# Altium PCB SolderingStation - Using Mux for PUP.PcbDoc (part 1 of 2) (continued)
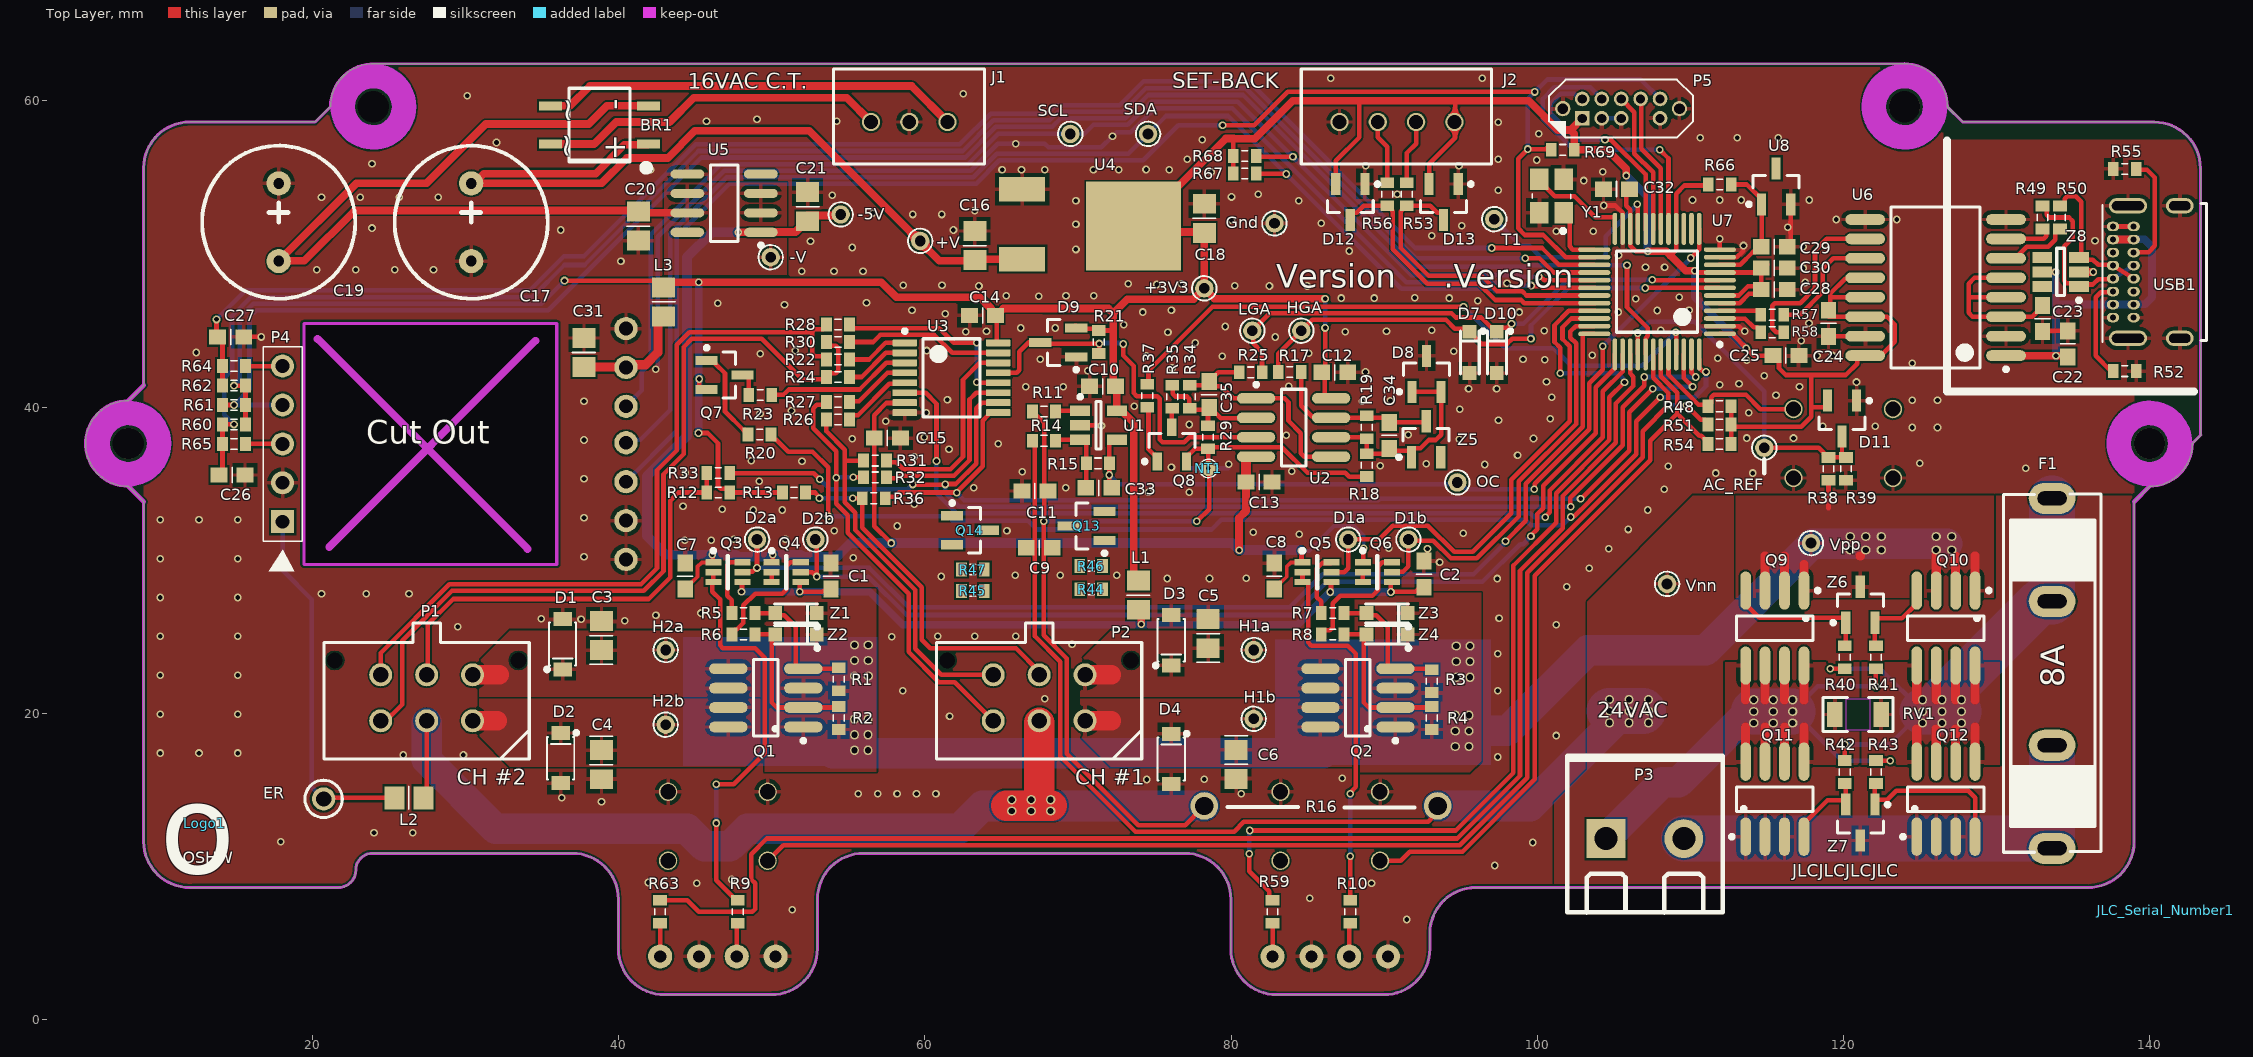
[diagram p0: Top Layer view]
## Footprints (in the part's own frame and the unit in brackets; to place one, negate y for a bottom-side part, rotate by r counter-clockwise, add the part's x,y. Pads: shape width x height; smd on the part's side, far side on the other; paste and mask are expansions set on the pad)
CC2012-0805 [mm]
  rect 1.3x1.5 smd: 1(-0.95,0) 2(0.95,0)
  silkscreen extent -1.87,-0.75 0,0.75, body extent -1,-0.62 1,0.63, height 0.78
CCNP1608-0603 [mm]
  rect 1.1x1 smd: 1(-0.85,0) 2(0.85,0)
  silkscreen extent 0,-0.5 0,0.5, body extent -0.8,-0.4 0.8,0.4, height 0.3
CCNP2012-0805 [mm]
  rect 1.3x1.5 smd: 1(-0.95,0) 2(0.95,0)
  silkscreen extent 0,-0.75 0,0.75, body extent -1,-0.62 1,0.63, height 0.78
CR1608-0603_N [mm]
  rect 0.7x0.9 smd: 1(-0.75,0) 2(0.75,0)
  silkscreen extent -0.2,-0.35 0.2,0.35, body extent -0.85,-0.4 0.85,0.4, height 0.56
Crystal_SMD_3.2x2.5 [mm] "Crystal SMT low profile 3.2 x 2.5 SMD"
  rect 1.4x1.2 smd: 1(-1.1,-0.8) 2(1.1,-0.8) 3(1.1,0.8) 4(-1.1,0.8)
  silkscreen extent -2.39,-1.25 0.15,1.25, body extent -1.55,-1.24 1.65,1.26, height 0.7
FB2012-0805 [mm] "Ferrite Bead 0805"
  rect 1.3x1.5 smd: 1(-0.95,0) 2(0.95,0)
  silkscreen extent 0,-0.75 0,0.75, body extent -1,-0.62 1,0.63, height 0.85
FUSE_CLIP_5x20 [mil] "Fuse clip for 5x20 mm fuse PCB mounted"
  oval 80x120 hole 36 slot 75 at 90 deg: 1(-450,0) 1a(-185,0)
  oval 80x120 hole 36 slot 75 at 90 deg mask+0: 2(450,0) 2a(185,0)
  silkscreen extent -460,-126 461,125, body extent -460,-125 460,125, height 344
HDR1X5S [mm] "Header; 5 Position; Straight"
  rect 1.5x1.5 hole 0.9: 1(0,0)
  round 1.5 hole 0.9: 2(2.54,0) 3(5.08,0) 4(7.62,0) 5(10.16,0)
  silkscreen extent -3.24,-1.27 11.43,1.27, body extent -1.27,-1.27 11.43,1.27, height 6
JLC_Serial_Number [mm] "JLC Serial Number"
JST-B3B-XH-AX [mm] "JST 3-pin connector PCB mount"
  round 1.2 hole 0.9: 1(-2.5,0) 2(0,0) 3(2.5,0)
  silkscreen extent -4.92,-3.45 4.95,2.75, body extent -4.95,-3.37 4.95,2.72, height 7
jst-b4b-xh-ax [mm] "JST 4-pin connector PCB mount"
  round 1.2 hole 0.9: 1(-3.75,0) 2(-1.25,0) 3(1.25,0) 4(3.75,0)
  silkscreen extent -6.17,-3.45 6.25,2.75, body extent -6.2,-3.37 6.2,2.72, height 7
"LED3MM-GREEN - 10MM PROUD" [mil] "LED 3mm through-hole"
  round 62 hole 31.5: A(-50,0) K(50,0)
  silkscreen extent -58,-75 53,75, body extent -75,-75 63,75, height 413
"LED3MM-RED - 10MM PROUD" [mil] "LED 3mm through-hole"
  round 62 hole 31.5: A(-50,0) K(50,0)
  silkscreen extent -58,-75 53,75, body extent -75,-75 63,75, height 413
MB1S [mm] "Bridge Rectifier Diode, Single Phase, 100 V, 800 mA, SOIC, 1.1 V, 4 Pins"
  rect 1.5x0.6 smd: 1(-3.2,1.25) 2(-3.2,-1.25) 3(3.2,-1.25) 4(3.2,1.25)
  silkscreen extent -3.25,-2.4 2,2.99, body extent -3.5,-2.35 3.5,2.35, height 2.4
MOLEX-39544-3002 [mm] "Wire-To-Board Terminal Block"
  rect 2.54x2.54 hole 1.5: 1(0,0)
  round 2.54 hole 1.5: 2(0,5.08)
  silkscreen extent -5.4,-2.54 4.83,7.62, body extent -5.08,-2.54 4.83,7.62, height 14.6
MOLEX-43045-0612 [mm] "Wire-To-Board Connector, With Polarizing Peg, 3 mm, 6 Contacts, Header, Micro-Fit 3.0 43045 Series"
  round 0.8 hole 1.02: 0(-6,2.44) 0(6,2.44)
  round 1.5 hole 1.02: 1(3,-1.5) 2(0,-1.5) 3(-3,-1.5) 4(3,1.5) 5(0,1.5) 6(-3,1.5)
  silkscreen extent -6.7,-4 6.7,4.9, body extent -6.57,-3.94 6.58,4.83, height 9.95
NETTIEVIA [mm] "Net Tie (Short)"
  round 1 smd far side: 1(0,0)
  round 1 smd: 2(0,0)
  silkscreen extent -0.6,-0.6 0.6,0.6
OAR3-R050FI [mm] "Current Sense Resistor, 0.05 ohm, OAR Series, 3 W, Metal Strip, Radial Leaded, ± 1%"
  round 1.8 hole 1.2: 1(-7.62,0) 2(7.62,0)
  body extent -8.25,-0.82 8.23,0.83, height 24.21
"OLED_Display_128x64_2.4inch - no mounting holes" [mm] "2.4 inch OLED Display"
  round 1.524 hole 0.9: 1(-33.5,7.572) 2(-33.5,5.032) 3(-33.5,2.492) 4(-33.5,-0.048) 5(-33.5,-2.428) 6(-33.5,-4.968) 7(-33.5,-7.508)
  silkscreen extent -36,-21.5 36,21.5, body extent -35.99,-21.45 36.01,21.55, height 6.4
OSHW [mm] "OSHW Logo"
"PCBPIN - 0.7mm" [mm]
  round 1.2 hole 0.7: 1(0,0)
  silkscreen extent -0.8,-0.8 0.8,0.8
"PCBPIN - 1mm" [mil]
  round 60 hole 39.37: 1(0,0)
  silkscreen extent -48,-48 48,48, body extent -22,-22 22,22, height 205
RB5/10x13mm [mil]
  round 62 hole 28: 1(-100,0) 2(100,0)
  silkscreen extent -197,-197 197,197, body extent -197,-197 197,197, height 512
SO-8_M [mm] "8-Pin Small Outline Integrated Circuit 1.27 mm Pitch, IPC Low Density"
  oval 0.7x2.5 smd: 1(-1.905,-2.45) 2(-0.635,-2.45) 3(0.635,-2.45) 4(1.905,-2.45) 5(1.905,2.45) 6(0.635,2.45) 7(-0.635,2.45) 8(-1.905,2.45)
  silkscreen extent -2.93,-2.57 2.5,0.8, body extent -2.5,-3.1 2.5,3.1, height 1.75
SOD-123FL [mil] "SOD-123-Flat , 2-Leads, Body 2.7x1.65mm"
  rect 36x48 smd: A(64.5,0) K(-64.5,0)
  silkscreen extent -70,-35 55,45, body extent -71,-32 71,32, height 37
SOD-323 [mm]
  rect 0.9x0.9 smd: A(1.347,0.004) K(-1.353,0.004)
  silkscreen extent -1.52,-0.6 1.4,1.01, body extent -1.35,-0.62 1.35,0.63, height 1.1
SOIC127P600-8M [mm] "SOIC, 8-Leads, Body 4.9x3.9mm, Pitch 1.27mm, IPC Low Density"
  oval 2.5x0.7 smd: 1(-2.45,1.905) 2(-2.45,0.635) 3(-2.45,-0.635) 4(-2.45,-1.905) 5(2.45,-1.905) 6(2.45,-0.635) 7(2.45,0.635) 8(2.45,1.905)
  silkscreen extent -2.57,-2.5 0.8,2.93, body extent -3.06,-2.5 3.14,2.5, height 1.75
SOIC127P600-8N [mm] "SOIC, 8-Leads, Body 4.9x3.9mm, Pitch 1.27mm, IPC Medium Density"
  oval 0.6x2.2 smd: 1(-1.905,-2.4) 2(-0.635,-2.4) 3(0.635,-2.4) 4(1.905,-2.4) 5(1.905,2.4) 6(0.635,2.4) 7(-0.635,2.4) 8(-1.905,2.4)
  silkscreen extent -2.88,-2.53 2.5,0.9, body extent -2.5,-3.06 2.5,3.14, height 1.75
SOIC127P1030-16M [mm] "SOIC, 16-Leads, Body 10.3x7.5mm, Pitch 1.27mm, IPC Low Density"
  oval 2.6x0.7 smd: 1(-4.6,4.445) 2(-4.6,3.175) 3(-4.6,1.905) 4(-4.6,0.635) 5(-4.6,-0.635) 6(-4.6,-1.905) 7(-4.6,-3.175) 8(-4.6,-4.445) 9(4.6,-4.445) 10(4.6,-3.175) 11(4.6,-1.905) 12(4.6,-0.635) 13(4.6,0.635) 14(4.6,1.905) 15(4.6,3.175) 16(4.6,4.445)
  silkscreen extent -4.72,-5.25 2.9,5.47, body extent -5.31,-5.25 5.32,5.25, height 2.62
SOT23-5_M [mm] "SOT23, 5-Leads, Body 2.9x1.6mm, Pitch 0.95mm, Lead Span 2.7mm, IPC Low Density"
  rect 1.3x0.7 smd: 1(1.2,-0.95) 2(1.2,0) 3(1.2,0.95) 4(-1.2,0.95) 5(-1.2,-0.95)
  silkscreen extent -0.15,-1.97 1.32,1.55, body extent -1.4,-1.45 1.4,1.45, height 1.45
SOT23_M [mm] "SOT23, 3-Leads, Body 2.9x1.3mm, Pitch 0.95mm, Lead Span 2.3mm - IPC Low Density"
  rect 1.45x0.6 smd: 1(1.175,-0.95) 2(1.175,0.95) 3(-1.175,0)
  silkscreen extent -0.7,-1.9 1.29,1.5, body extent -1.25,-1.5 1.25,1.5, height 1.05
SOT23_N [mm] "SOT23, 3-Leads, Body 2.9x1.3mm, Pitch 0.95mm, Lead Span 2.3mm - IPC Medium Density"
  rect 1.15x0.6 smd: 1(1.125,-0.95) 2(1.125,0.95) 3(-1.125,0)
  silkscreen extent -0.7,-1.9 1.25,1.5, body extent -1.25,-1.5 1.25,1.5, height 1.05
SOT363-6M [mm] "SOT363, 6-Leads, Body 2x1.3mm, Pitch 0.65mm, Lead Span 2.1mm, IPC Low Density"
  rect 1.05x0.4 smd: 1(-0.95,0.65) 2(-0.95,0) 3(-0.95,-0.65) 4(0.95,-0.65) 5(0.95,0) 6(0.95,0.65)
  silkscreen extent -1.07,-1.1 0.05,1.52, body extent -1.2,-1.1 1.2,1.1, height 1.1
"SOT457_M - 180" [mm] "SOT23, 6-Leads, Body 2.9x1.5mm, Pitch 0.95mm, Lead Span 2.8mm, IPC Low Density"
  rect 1.3x0.7 smd: 1(1.2,-0.95) 2(1.2,0) 3(1.2,0.95) 4(-1.2,0.95) 5(-1.2,0) 6(-1.2,-0.95)
  silkscreen extent -0.25,-1.97 1.33,1.55, body extent -1.5,-1.4 1.34,1.5, height 1.21
"SPACER-2MM DIA X 6MM" [mm]
  round 2 hole 2.05: 0(0,0)
  Keep-Out Layer circle w1.6: c0,0 r2
  silkscreen extent -3,-3 3,3, body extent -3,-3 3,3, height 6
SW-CAP-B32-2010 [mm] "Switch cap for small push-button switch 6mm dia."
  silkscreen extent -3,-3 3,3, body extent -3,-3 3,3, height 10
SW_MIN_PB-B3F1052 [mm] "Miniature PCB Push Button projected plunger"
  round 1.2 hole 1: 1(3.25,-2.25) 1b(-3.25,-2.25) 2(3.25,2.25) 2b(-3.25,2.25)
  silkscreen extent -3,-2.77 3,2.78, body extent -3.85,-3 3.85,3, height 6.7
SWD-2x5-Jig-Header [mm] "Connector; SWD; 2x5 Position"
  round 1 hole 0.7: 0(-1.27,0.635) 0(6.35,0.635)
  rect 0.96x0.96 hole 0.6: 1(0,0)
  round 0.96 hole 0.6: 2(0,1.27) 3(1.27,0) 4(1.27,1.27) 5(2.54,0) 6(2.54,1.27) 8(3.81,1.27) 9(5.08,0) 10(5.08,1.27)
  silkscreen extent -2.16,-1.26 7.24,2.53, body extent -0.63,-1.09 5.72,2.31, height 4.5
TO-252 [mm] "TO-252 Package"
  rect 3x1.6 smd: 1(3.64,-2.285) 3(3.64,2.285)
  rect 6.2x5.8 smd: 4(-3.64,0.127)
  body extent -5.71,-3.14 4.23,3.4, height 2.29
TSQFP50P900X900-48M [mm] "Thin QFP, 48-Leads, Body 7x7mm, Pitch 0.5mm, IPC Low Density"
  oval 0.3x2.1 smd: 1(-2.75,-4.1) 2(-2.25,-4.1) 3(-1.75,-4.1) 4(-1.25,-4.1) 5(-0.75,-4.1) 6(-0.25,-4.1) 7(0.25,-4.1) 8(0.75,-4.1) 9(1.25,-4.1) 10(1.75,-4.1) 11(2.25,-4.1) 12(2.75,-4.1) 25(2.75,4.1) 26(2.25,4.1) 27(1.75,4.1) 28(1.25,4.1) 29(0.75,4.1) 30(0.25,4.1) 31(-0.25,4.1) 32(-0.75,4.1) 33(-1.25,4.1) 34(-1.75,4.1) 35(-2.25,4.1) 36(-2.75,4.1)
  oval 2.1x0.3 smd: 13(4.1,-2.75) 14(4.1,-2.25) 15(4.1,-1.75) 16(4.1,-1.25) 17(4.1,-0.75) 18(4.1,-0.25) 19(4.1,0.25) 20(4.1,0.75) 21(4.1,1.25) 22(4.1,1.75) 23(4.1,2.25) 24(4.1,2.75) 37(-4.1,2.75) 38(-4.1,2.25) 39(-4.1,1.75) 40(-4.1,1.25) 41(-4.1,0.75) 42(-4.1,0.25) 43(-4.1,-0.25) 44(-4.1,-0.75) 45(-4.1,-1.25) 46(-4.1,-1.75) 47(-4.1,-2.25) 48(-4.1,-2.75)
  silkscreen extent -3.57,-4.22 2.65,2.65, body extent -4.5,-4.55 4.5,4.45, height 1.6
TSSOP16_M [mm] "SOP, 16-Leads, Body 5.1x4.5mm, Pitch 0.65mm, IPC Low Density"
  rrect22% 1.6x0.45 smd: 1(-3.05,2.275) 2(-3.05,1.625) 3(-3.05,0.975) 4(-3.05,0.325) 5(-3.05,-0.325) 6(-3.05,-0.975) 7(-3.05,-1.625) 8(-3.05,-2.275) 9(3.05,-2.275) 10(3.05,-1.625) 11(3.05,-0.975) 12(3.05,-0.325) 13(3.05,0.325) 14(3.05,0.975) 15(3.05,1.625) 16(3.05,2.275)
  silkscreen extent -3.17,-2.55 1.85,3.17, body extent -3.2,-2.5 3.2,2.5, height 1.1
USB4085-GF-A [mm] "USB-C Connector"
  oval 0.8x0.62 hole 0.4: A1(2.18,2.975) A4(2.18,2.125) A5(2.18,1.275) A6(2.18,0.425) A7(2.18,-0.425) A8(2.18,-1.275) A9(2.18,-2.125) A12(2.18,-2.975) B1(0.83,-2.975) B4(0.83,-2.125) B5(0.83,-1.275) B6(0.83,-0.425) B7(0.83,0.425) B8(0.83,1.275) B9(0.83,2.125) B12(0.83,2.975)
  oval 1.8x1 hole 0.6 slot 1.4 at 0 deg: SH(-2.18,4.325) SH(-2.18,-4.325)
  oval 2.5x1 hole 0.6 slot 2.1 at 0 deg: SH(1.2,4.325) SH(1.2,-4.325)
  silkscreen extent -3.92,-4.47 2.88,4.57, body extent -6.41,-4.52 2.76,4.51, height 3.46
VR3216-1206 [mm] "Varistor 1206"
  rect 1.02x1.65 smd: 1(-1.52,0) 2(1.52,0)
  Top Layer keep-out region: -0.8,-1 0.8,-1 0.8,1 -0.8,1
  silkscreen extent -2.3,-1.1 2.3,1.1, body extent -1.6,-0.85 1.6,0.85, height 1.86

## Part data
+3V3 +V -5V -V AC_REF D1a D1b D2a D2b ER Gnd H1a H1b H2a H2b HGA LGA OC SCL SDA T1 Vnn Vpp: library part TP, "Test Point"
BR1: "Bridge Rectifier Diode, Single Phase, 100 V, 800 mA, SOIC, 1.1 V, 4 Pins", LCSC=C232821
C1 C2 C7 C8 C9 C10 C11 C12 C13 C14 C15 C22 C23 C24 C25 C29 C30 C32: library part Cap_CCNP_0603, "Capacitor non-polar SMT 0603", LCSC=C14663, Manufacturer="Generic Components", Class=Passive, Published=08/06/2000, Publisher="Altium Hobart Technology Centre", SubClass=Capacitor
C3 C4 C5 C6: library part Cap_CC_0805, "Capacitor SMT 0805", Manufacturer="Generic Components", Class=Passive, Published=08/06/2000, Publisher="Altium Hobart Technology Centre", SubClass=Capacitor
C16: library part Cap_CCNP_0805, "Capacitor non-polar SMT 0805", LCSC=C49678, Manufacturer="Generic Components", Class=Passive, Published=08/06/2000, Publisher="Altium Hobart Technology Centre", SubClass=Capacitor
C17 C19: library part Cap-RB5/10x16MM
C18 C21 C31: library part Cap, "Capacitor", LCSC=C15850, Manufacturer="Generic Components", Class=Passive, Published=08/06/2000, Publisher="Altium Hobart Technology Centre", SubClass=Capacitor
C20: library part Cap_CCNP_0805, "Capacitor non-polar SMT 0805", LCSC=C49217, Manufacturer="Generic Components", Class=Passive, Published=08/06/2000, Publisher="Altium Hobart Technology Centre", SubClass=Capacitor
C26 C27: library part Cap_CCNP_0603, "Capacitor non-polar SMT 0603", LCSC=C1588, Manufacturer="Generic Components", Class=Passive, Published=08/06/2000, Publisher="Altium Hobart Technology Centre", SubClass=Capacitor
C28: library part Cap, "Capacitor", LCSC=C23630, Manufacturer="Generic Components", Class=Passive, Published=08/06/2000, Publisher="Altium Hobart Technology Centre", SubClass=Capacitor
C33 C34 C35: library part Cap_CCNP_0603, "Capacitor non-polar SMT 0603", LCSC=C14858, Manufacturer="Generic Components", Class=Passive, Published=08/06/2000, Publisher="Altium Hobart Technology Centre", SubClass=Capacitor
D1 D2 D3 D4: "Diodes - General Purpose, 1kV 1A 1.1V 1A SOD-123FL", LCSC=C64898, Class=Discrete, SubClass="Diode - Switching"
D5 D6: library part LED_3MM_GREEN, "3mm Green LED", Manufacturer="Generic Components", Class I=Optoelectronic, Class II=LED, Published=8-Jun-2000, Publisher="Altium Limited", Revision="July-2002: Re-released for DXP Platform."
D7 D10: "Switching Diode 100V 150mA 1.25V@150mA 4ns SOD-323", LCSC=C2128, Class=Discrete, Farnell PN=2675146, SubClass="Diode - Switching"
D8 D9 D11 D12 D13: "Dual Series low-leakage switching diodes, 3-Pin SOT-23", LCSC=C145516, Digikey=BAV199LT1GOSCT-ND, Farnell PN=1431115
D14 D15: library part LED_3MM_RED, "3mm Red LED", Manufacturer="Generic Components", Class I=Optoelectronic, Class II=LED, Published=8-Jun-2000, Publisher="Altium Limited", Revision="July-2002: Re-released for DXP Platform."
F1: library part FUSE_CLIP_5x20, "5x20mm fuse clip PCB Mount", Digikey=507-1415-ND
J1: library part JST-B3B-XH-A, Digikey=455-2248-ND, Farnell PN=1516277, LatestRevisionDate=17-Jul-2002, LatestRevisionNote="Re-released for DXP Platform.", Publisher="Altium Limited"
J2: library part JST-B4B-XH-A, Digikey=455-2249-ND, Farnell PN=1516278, LatestRevisionDate=17-Jul-2002, LatestRevisionNote="Re-released for DXP Platform.", Publisher="Altium Limited"
L1 L2 L3: library part "Ferrite Bead 0805", "Ferrite Bead SMT 0805, TDK MPZ2012S102AT, 0.15OHM, 1.5A", LCSC=C1017, Farnell PN=1669733
OLED1: library part OLED_Display_128x64_2.4inch, "OLED Display 128x64 pixels, 2.4inch"
P1 P2: "Wire-To-Board Connector, With Polarizing Peg, 3 mm, 6 Contacts, Header, Micro-Fit 3.0 43045 Series", Farnell PN=1012248
P3: "MULTICOMP  MC24366 Wire-To-Board Terminal Block", Farnell PN=2396251
P4: library part "Header 1x5", LatestRevisionDate=17-Jul-2002, LatestRevisionNote="Re-released for DXP Platform.", Publisher="Altium Limited"
P5: library part SWD2X5_JIG, Farnell PN=1865285, LatestRevisionDate=17-Jul-2002, LatestRevisionNote="Re-released for DXP Platform.", Publisher="Altium Limited"
Q1 Q2: "P-Channel dual MOSFET, 40 V, 7.6 A, 0.018 ohm, SOIC, Surface Mount", Farnell=2543521
Q3 Q4 Q5 Q6: "Pre-Biased NPN and PNP pair, 50 V, 100 mA, 22 kohm, 22 kohm"
Q7: "P-Channel Enhancement Mode FET -0.13 A, -50 V,  RDS(ON) = 10R at VGS = -5 V", LCSC=C8492
Q8: "N-channel enhancement mode FET, , 30 V, 850 mA, 0.4 ohm, SOT23", ComponentLink1Description="Manufacturer Link", ComponentLink1URL=http://www.zetex.com/, ComponentLink2Description=Datasheet, ComponentLink2URL=www.zetex.com/3.0/pdf/BSS138.pdf, Farnell PN=1081307, PackageDescription="SOT-23; 3 Leads; Body 3.1 x 2.5 mm, inc. leads (LxW max), Alternate Lead Configuration"
Q9 Q10: "P-Channel Power MOSFET, 11 A, 40 V, RDS(ON) = 0.013 ohm @ VGS = -10   VRDS(ON) = 0.017 ohm @ VGS =   -4.5 VC", Drain-Source On Resistance-Max=13mO, Drain-to-Source Voltage [Vdss]=40V, Manufacturer="Fairchild Semiconductor", Package Description="8-Pin Small Outline Integrated Circuit, Body 4.9 x 3.9 mm, Pitch 1.27 mm", Package Reference=SO-8, Package Version="Rev. 16, 08/2015", Rated Power Dissipation=2.4W, Channel Type=P-Channel, Datasheet URL=https://www.fairchildsemi.com/datasheets/FD/FDS4675.pdf, Datasheet Version="Rev. C(W), 02/2001", Manufacturer URL=https://www.fairchildsemi.com/, Mounting Technology=SurfaceMount, Package URL=https://www.fairchildsemi.com/package-drawings/M0/M08A.pdf, Qg Gate Charge=56nC
Q11 Q12: "N-Channel Power MOSFET, 11 A, 40 V. RDS(ON)  = .013 ohm @ VGS = 4.5 V", Drain-Source On Resistance-Max=13mO, Drain-to-Source Voltage [Vdss]=40V, LCSC=C725034, Manufacturer="Fairchild Semiconductor", Package Description="8-Pin Small Outline Integrated Circuit, Body 4.9 x 3.9 mm, Pitch 1.27 mm", Package Reference=SO-8, Package Version="Rev. 16, 08/2015", Rated Power Dissipation=2.4W, Channel Type=P-Channel, Datasheet URL=https://www.fairchildsemi.com/datasheets/FD/FDS4675.pdf, Datasheet Version="Rev. C(W), 02/2001", Manufacturer URL=https://www.fairchildsemi.com/, Mounting Technology=SurfaceMount, Package URL=https://www.fairchildsemi.com/package-drawings/M0/M08A.pdf, Qg Gate Charge=56nC
Q13 Q14: library part MMBT3904LT1G, "SOT23", ComponentLink1Description="Manufacturer URL", ComponentLink1URL=http://www.onsemi.com/, ComponentLink2Description=Datasheet, ComponentLink2URL=http://www.onsemi.cn/pub_link/Collateral/MMBT3904LT1-D.PDF, ComponentLink3Description="Package Specification", ComponentLink3URL=http://www.onsemi.cn/pub_link/Collateral/318-08.PDF
R1 R2 R3 R4: library part Res_CR0603, "Resistor SMT 0603", LCSC=C31850, Manufacturer="Generic Components", Class=Passive, Published=08/06/2000, Publisher="Altium Hobart Technology Centre", SubClass=Resistor
R5 R6 R7 R8 R67 R68: library part Res_CR0603, "Resistor SMT 0603", LCSC=C23162, Manufacturer="Generic Components", Class=Passive, Published=08/06/2000, Publisher="Altium Hobart Technology Centre", SubClass=Resistor
R9 R10 R59 R63: library part Res_CR0603, "Resistor SMT 0603", LCSC=C23179, Manufacturer="Generic Components", Class=Passive, Published=08/06/2000, Publisher="Altium Hobart Technology Centre", SubClass=Resistor
R11 R12 R13 R14 R22 R23 R24 R26 R27 R28 R29 R30 R31 R32 R33 R34 R36 R48 R51 R54 R60 R61 R62 R69: library part Res_CR0603, "Resistor SMT 0603", LCSC=C25804, Manufacturer="Generic Components", Class=Passive, Published=08/06/2000, Publisher="Altium Hobart Technology Centre", SubClass=Resistor
R15: library part Res_CR0603, "Resistor SMT 0603", LCSC=C23196, Manufacturer="Generic Components", Class=Passive, Published=08/06/2000, Publisher="Altium Hobart Technology Centre", SubClass=Resistor
R16: "Current Sense Resistor, 0.05 ohm, OAR Series, 3 W, Metal Strip, Radial Leaded, 1%"
R17 R25: library part Res_CR0603, "Resistor SMT 0603", LCSC=C21189, Manufacturer="Generic Components", Class=Passive, Published=08/06/2000, Publisher="Altium Hobart Technology Centre", SubClass=Resistor
R18 R20 R37 R53 R56 R66: library part Res_CR0603, "Resistor SMT 0603", LCSC=C21190, Manufacturer="Generic Components", Class=Passive, Published=08/06/2000, Publisher="Altium Hobart Technology Centre", SubClass=Resistor
R19: library part Res_CR0603, "Resistor SMT 0603", LCSC=C23206, Manufacturer="Generic Components", Class=Passive, Published=08/06/2000, Publisher="Altium Hobart Technology Centre", SubClass=Resistor
R21: library part Res_CR0603, "Resistor SMT 0603", LCSC=C22935, Manufacturer="Generic Components", Class=Passive, Published=08/06/2000, Publisher="Altium Hobart Technology Centre", SubClass=Resistor
R35 R52 R55: library part Res_CR0603, "Resistor SMT 0603", LCSC=C23186, Manufacturer="Generic Components", Class=Passive, Published=08/06/2000, Publisher="Altium Hobart Technology Centre", SubClass=Resistor
R38: library part Res_CR0603, "Resistor SMT 0603", LCSC=C22809, Manufacturer="Generic Components", Class=Passive, Published=08/06/2000, Publisher="Altium Hobart Technology Centre", SubClass=Resistor
R39 R40 R41 R42 R43: library part Res_CR0603, "Resistor SMT 0603", LCSC=C23159, Manufacturer="Generic Components", Class=Passive, Published=08/06/2000, Publisher="Altium Hobart Technology Centre", SubClass=Resistor
R44 R45 R46 R47: library part Res_CR0603, "Resistor SMT 0603", Manufacturer="Generic Components", Class=Passive, Published=08/06/2000, Publisher="Altium Hobart Technology Centre", SubClass=Resistor
R49 R50 R57 R58 R64 R65: library part Res_CR0603, "Resistor SMT 0603", LCSC=C23140, Manufacturer="Generic Components", Class=Passive, Published=08/06/2000, Publisher="Altium Hobart Technology Centre", SubClass=Resistor
RV1: "V33MLA1206NH - TVS Varistor, 26 V, 33 V, MLA Series, 75 V, 1206 [3216 Metric], Multilayer Varistor (MLV)", Manufacturer="Generic Components", Class=Passive, Digikey=F11298CT-ND, Farnell PN=1816942, Published=08/06/2000, Publisher="Altium Hobart Technology Centre", SubClass=Resistor
S1 S2 S3: "Switch miniature push-button", Manufacturer="Generic Components", Farnell PN=196094202, Published=24-Mar-1999, Publisher="Altium Limited", Revision="July-2002: Re-released for DXP Platform."
SC1 SC2 SC3: library part "Switch-Cap - B32-2010", "Switch Cap", Farnell PN=2352313
SP1 SP2 SP3 SP4: library part Spacer-6mm
U1: "Op-Amp, Single supply R-R in/out", LCSC=C21403
U2: "Dual Precision,Rail-to-Rail Input and Output, 4.5-24V, Zero-Drift OperationalAmplifier"
U3: "Analog Multiplexer / Demultiplexer, 4:1, 2 Circuits, 225 ohm, 2V to 10V, TSSOP-16", Farnell PN=2445305
U4: "IC REG LINEAR +3V3 1A TO252-3", LCSC=C152529, Digikey=NCP1117DT33T5GOSCT-ND, Farnel=2464254
U5: "IC REG LINEAR -5V 100MA SOIC-8", LCSC=C154823, Digikey=UA79M05CKVURG3, Farnell PN=3122804
U6: "Full/Low Speed 5 kV USB Digital Isolator", Farnell PN=2061081
U7: "Kinetis K20: 50MHz Cortex-M4 Performance MCU, 160KB Flash, 16KB SRAM, Full-Speed USB, 48-LQFP", Digikey=MK20DX128VLF50-ND, Farnell PN=2133571, Mouser=841-MK20DX128VLF5
U8: library part LM4040BIM3-2.5/NOPB, "IC 2.5V VREF SHUNT 0.2% SOT23-3", LCSC=C131939, Digikey=LM4040BIM3X-2.5/NOPBCT-ND, Farnell PN=3124419
USB1: "USB-C, USB 2.0 Receptacle Connector 16 Position Through Hole, Right Angle", Digikey Part Number=2073-USB4085-GF-ACT-ND, Angle=90, Digikey=2073-USB4085-GF-ACT-ND, Digikey Link=https://www.digikey.ee/product-detail/en/gct/USB4085-GF-A/2073-USB4085-GF-ACT-ND/9859733, Farnell PN=2924867, Part Number=USB4085-GF-A
Y1: library part "Crystal 16MHz", "Crystal SMD 3.2 x 2.5 x 0.7 mm", LCSC=C13738, Manufacturer="Generic Components", Class=Oscillator, Published=08/06/2000, Publisher="Altium Hobart Technology Centre", SubClass="Crystal Oscillator"
Z1 Z2 Z3 Z4: "Surface Mount Zener Diode, 12-13 V, -65 to 150 degC, SOD-123", LCSC=C124208
Z5: "Zener Diode, 3.9V, 250mW, SOT-23, 1%, 150C", Manufacturer="Generic Components", Class=Discrete, Farnell PN=2528857, Published=08/06/2000, Publisher="Altium Hobart Technology Centre", SubClass="Diode - Switching"
Z6: library part DZ23Cxx, "Dual silicon planar Zener diodes"
Z7: library part AZ23Cxx, "Dual silicon planar Zener diodes"
Z8: "Ultra low capacitance quadruple rail-to-rail ESD protection", LCSC=C393377, Digikey=CM1293A-04SOOSCT-ND, Farnell PN=2533258

## Via types
v1: diameter 0.5, hole 0.3, Top Layer to Bottom Layer, tented both sides, 424 vias
v2: diameter 0.6, hole 0.4, Top Layer to Bottom Layer, tented both sides, 67 vias
v3: diameter 0.75, hole 0.3, Top Layer to Bottom Layer, tented both sides, 1 vias

## Nets (pads, with @x,y where several pads share a name; then routed paths per layer and width w, separated by ;. In a path a pad name is that pad's centre, name@x,y a point inside that pad or via, vN(x,y) a via of type N, cw(c..) or ccw(c..) an arc to the next point about the centre after c; other vN are vias at no path point)
5V_USB: C22.2 U6.1 USB1.A4 USB1.A9 USB1.B4 USB1.B9 Z8.5 | length 24.4
  Top Layer w0.3: Z8.5@132.974,48.822 v1(133.863,48.822)
  Top Layer w0.508: U6.1@130.508,43.361 130.525,43.344 C22.2@134.499,43.344 ; C22.2@134.464,43.308 C22.2@134.499,43.344 ; C22.2@134.517,43.361 C22.2@134.499,43.344 ; C22.2@134.525,43.344 C22.2@134.499,43.344 ; USB1.A9@137.596,50.942 USB1.B4@138.945,50.942
  Bottom Layer w0.508: v1(133.863,48.822) 133.863,46.517 ; v1@133.87,43.308 133.87,46.51 133.863,46.517 ; USB1.A9@137.596,50.942 USB1.B4@138.945,50.942 ; USB1.B9@138.945,46.692 USB1.A4@137.596,46.692 134.038,46.692 133.863,46.517 ; USB1.B9@138.967,46.714 139.685,46.714 140.143,47.171 140.143,50.473 139.652,50.964 USB1.B4@138.967,50.964
  other v1: 133.87,43.343
+3V3: +3V3.1 C10.1 C12.1 C14.1 C18.2 C24.2 C25.2 C28.2 C30.2 C32.2 D9.2 D11.2 D12.2 D13.2 J2.1 L1.1 L3.1 P5.1 Q7.2 R12.2 R13.2 R21.2 R48.2 R51.2 R54.2 R60.2 R61.2 R62.2 R66.1 R67.2 R68.2 R69.2 U1.5 U2.8 U3.16 U4.4 U6.12 U6.13 U6.14 U6.16 U7.1 U7.5 U7.6 U7.9 U7.16 U7.22 | length 265.3
  Top Layer w0.3: v1(14.871,41.403) R62.2@15.621,41.403 R61.2@15.621,40.133 R60.2@15.621,38.863 ; v1(36.461,48.261) 42.618,48.261 L3.1@42.938,47.941 ; v1(45.212,38.303) 45.822,38.303 46.482,37.643 46.482,34.845 46.658,34.669 47.044,34.669 47.244,34.469 R12.2@47.244,34.418 R13.2@50.697,34.418 ; v1@45.273,41.824 v1(45.263,41.834) 45.263,41.288 45.413,41.138 Q7.2@45.739,41.138 ; C14.1@64.616,45.975 64.684,45.907 U3.16@64.684,44.186 ; D9.2@69.882,45.171 69.953,45.101 71.245,45.101 R21.2@71.349,44.997 72.235,44.997 72.298,45.06 ; 73.621,33.02 73.635,33.02 ; R67.2@80.135,55.246 R68.2@80.135,56.389 80.135,57.519 80.149,57.532 ; U2.8@86.117,40.585 C12.1@86.117,42.052 ; C12.1@86.131,42.27 v1(86.131,45.168) ; D12.2@86.831,54.519 D12.2@86.831,54.569 86.831,56.085 88.378,57.632 88.378,59.998 ; D13.2@92.927,54.519 D13.2@92.927,54.569 92.927,55.883 94.627,57.583 94.627,59.998 ; 95.829,59.981 95.846,59.998 ; C32.2@106.018,54.23 105.815,54.027 105.815,53.14 106.066,52.889 106.066,50.538 106.438,50.166 v1(107.2,50.166) ; 108.698,49.887 109.066,50.254 109.066,53.937 109.601,54.472 111.161,54.472 R66.1@111.161,54.437 ; v1@110.438,48.785 C30.2@114.324,48.785 ; U7.5@111.866,46.785 113.217,46.785 113.82,47.389 114.326,47.389 C28.2@114.617,47.679 114.416,47.88 113.753,47.88 113.158,47.285 112.816,47.285 U7.6@111.916,47.285 U7.6@111.866,47.285 ; U7.1@111.916,44.785 112.816,44.785 112.816,44.677 v1(113.651,43.842) 114.132,43.361 C25.2@115.379,43.361 115.429,43.361 115.779,43.011 115.779,42.541 116.229,42.091 117.88,42.091 ; R54.2@112.649,37.771 R48.2@112.649,40.057 ; R51.2@112.661,38.916 112.854,38.723 117.233,38.723 117.88,39.37 117.88,40.006 ; C30.2@114.47,49.308 C30.2@115.017,49.308 ; C28.2@114.617,47.753 C30.2@114.617,49.076 ; D11.2@118.95,39.988 117.898,39.988 117.88,40.006 ; C24.2@119.011,45.901 U6.14@121.408,45.901 122.833,45.901 123.341,45.393 123.341,44.263 U6.16@122.439,43.361 ; C24.2@119.011,46.317 119.138,46.444 119.138,47.245 ; U6.12@120.808,48.441 120.75,48.384 120.108,48.384 119.138,47.413 119.138,47.245 ; U6.13@121.508,47.171 U6.13@121.408,47.171 119.538,47.171 119.531,47.164 119.219,47.164 119.138,47.245 ; U6.16@122.324,43.337 121.532,43.337 121.508,43.361 U6.16@121.408,43.361 121.017,43.361 120.879,43.223 120.879,42.829 120.141,42.091 117.88,42.091 ; 117.88,40.006 117.88,42.091
  Top Layer w0.5: L3.1@42.938,47.814 43.282,48.158 v1(45.237,48.158) ; v1@45.242,48.153 57.155,48.153 58.141,47.168 63.584,47.168 64.316,46.437 64.316,46.225 C14.1@64.365,46.225 ; C14.1@64.616,45.975 64.666,45.975 65.121,46.431 67.691,46.431 ; 71.984,46.431 72.298,46.117 72.298,45.06 72.298,41.506 C10.1@72.453,41.351 72.535,41.269 U1.5@72.535,39.763 72.635,39.663 72.935,39.663 73.635,38.963 73.635,33.02 L1.1@73.635,28.651 ; 80.149,57.532 81.546,57.532 84.012,59.998 88.378,59.998 94.627,59.998 95.846,59.998 99.426,59.998 101.331,58.093 102.17,58.093 ; P5.1@102.932,58.855 102.17,58.093 ; v1(105.803,55.119) 105.803,55.565 104.57,56.798 R69.2@102.412,56.798 102.412,57.851 102.17,58.093 ; v1(107.2,50.166) 108.419,50.166 108.698,49.887 109.689,48.896 v1(110.273,48.896)
  Top Layer w0.508: 67.691,46.431 71.984,46.431 ; D9.2@69.837,45.216 D9.2@69.882,45.171 ; 72.298,46.117 73.222,47.041 77.531,47.041 +3V3.1@78.244,47.753 ; U4.4@74.01,51.436 78.183,51.436 C18.2@78.244,51.375 +3V3.1@78.244,47.753 ; U4.4@76.572,54.463 79.641,57.532 80.149,57.532 ; C12.1@86.117,42.256 C12.1@86.131,42.27 ; v1(86.131,47.08) 78.917,47.08 +3V3.1@78.244,47.753
  Top Layer w0.635: U2.8@86.117,40.585 86.134,40.567 U2.8@86.48,40.567
  Bottom Layer w0.3: v1(14.871,41.403) 15.252,41.784 15.252,45.848 16.141,46.737 34.937,46.737 v1(36.461,48.261) ; 45.237,43.688 45.339,43.688 ; v1(86.131,45.168) v1(86.131,47.08)
  Bottom Layer w0.5: v1(45.212,38.303) 45.237,38.329 45.237,43.688 v1(45.237,48.158) ; v1(110.273,48.896) 110.273,47.16 113.591,43.842 v1(113.651,43.842)
  Bottom Layer w0.508: v1(105.803,55.119) 107.2,53.722 v1(107.2,50.166)
+3V3_I: C1.1 C2.1 L1.2 Q3.4 Q4.4 Q5.4 Q6.4 | length 51.9
  Top Layer w0.3: v1(48.018,27.941) 48.048,27.972 48.048,28.531 Q3.4@48.079,28.561 ; Q4.4@51.889,28.561 51.878,28.561 51.828,28.511 v1(51.828,27.941) 53.313,27.941 53.333,27.961 53.383,27.961 53.733,28.311 C1.1@53.733,28.361 ; v1(86.48,27.922) 86.518,27.961 86.518,28.52 Q5.4@86.56,28.561 ; v1(90.436,27.922) v1@90.436,27.941 ; Q6.4@90.497,28.561 90.486,28.561 90.436,28.511 v1@90.436,27.941 ; C2.1@92.341,28.234 92.048,27.941 v1@90.436,27.941
  Top Layer w0.5: v1(74.129,25.808) L1.2@74.129,26.763
  Bottom Layer w0.5: v1(48.018,27.941) v1(51.828,27.941) 56.4,27.941 58.559,25.782 68.465,25.782 70.751,25.782 84.34,25.782 85.737,27.179 v1(86.48,27.922) v1(90.436,27.922)
+9V: +V.1 BR1.1 C16.2 C17.1 U4.3 | length 53.4
  Top Layer w0.5: C17.1@30.365,54.611 C17.1@30.56,54.611 ; BR1.1@41.947,57.171 41.902,57.127 40.373,57.127 38.493,55.246 31.195,55.246 C17.1@30.56,54.611 ; U4.3@66.349,49.659 63.32,49.659 C16.2@63.258,49.597 63.258,49.555 60.926,49.555 52.441,58.04 44.97,58.04 43.192,56.262 40.525,56.262 38.874,54.611 C17.1@30.56,54.611
-5V: -5V.1 C7.1 C8.1 C13.1 C15.1 C21.2 Q3.1 Q4.1 Q5.1 Q6.1 U2.4 U3.7 U5.1 | length 106.2
  Top Layer w0.254: C7.1@44.335,28.107 44.335,28.157 44.708,28.53 44.758,28.53 45.146,28.919 45.146,29.579 45.426,29.858 46.176,29.858 Q3.1@46.179,29.861 ; C8.1@82.816,28.107 82.816,28.157 83.189,28.53 83.239,28.53 83.627,28.919 83.627,29.579 83.907,29.858 84.657,29.858 Q5.1@84.66,29.861
  Top Layer w0.3: v1(46.113,30.354) 46.146,30.321 46.146,29.878 46.163,29.861 Q3.1@46.179,29.861 ; Q4.1@50.05,29.911 50,29.861 Q4.1@49.989,29.861 50.05,29.922 v1(50.05,30.354) ; v1@57.792,31.121 56.693,32.22 C15.1@56.693,37.974 56.693,39.471 57.484,40.262 U3.7@58.379,40.262 ; U3.7@58.76,40.262 U3.7@58.784,40.286 ; v1(84.594,30.608) 84.594,29.911 84.644,29.861 Q5.1@84.66,29.861 ; Q6.1@88.597,29.861 88.627,29.892 88.627,30.756 v1(88.658,30.786)
  Top Layer w0.508: v1(47.814,51.411) U5.1@49.287,51.411 49.305,51.429 51.542,51.429 51.84,51.726 51.84,51.741 52.236,52.137 C21.2@52.336,52.137 ; C21.2@52.336,52.518 -5V.1@54.622,52.518 ; v1(80.518,30.658) 80.518,32.759 80.969,33.21 C13.1@80.969,35.106
  Top Layer w0.635: C13.1@80.969,35.106 U2.4@80.969,36.74
  Bottom Layer w0.254: v1(84.594,30.608) 85.102,30.608 86.72,32.227 88.03,32.227 88.658,31.599 v1(88.658,30.786)
  Bottom Layer w0.635: v1(47.814,51.411) 46.087,51.411 44.462,49.785 44.462,38.101 41.843,35.483 41.843,31.576 43.065,30.354 v1(46.113,30.354) 47.674,30.354 47.803,30.226 49.921,30.226 v1(50.05,30.354) 51.891,30.354 52.045,30.201 54.229,30.201 55.145,31.116 v1(57.797,31.116) 80.059,31.116 v1(80.518,30.658) v1(80.518,30.658) v1@84.545,30.657
-9V: -V.1 BR1.2 C19.2 C20.2 U5.2 U5.3 U5.6 U5.7 | length 56.4
  Top Layer w0.5: C19.2@17.792,49.531 C19.2@17.807,49.547 ; C20.2@41.287,52.681 U5.7@44.487,52.681 ; C20.2@41.287,52.767 41.221,52.833 22.745,52.833 19.458,49.547 C19.2@17.807,49.547 ; BR1.2@41.947,59.671 39.235,59.671 38.048,58.485 31.317,58.485 27.444,54.611 22.872,54.611 C19.2@17.807,49.547
AC24a: P3.1 Q9.5 Q9.6 Q9.7 Q9.8 Q11.5 Q11.6 Q11.7 Q11.8 R41.1 R43.2 RV1.2 | length 49.9
  Top Layer w0.3: R43.2@122.109,16.892 v1(123.05,16.892) ; v1(122.109,21.771) R41.1@122.109,22.91
  Top Layer w0.6: Q11.8@113.6,16.789 113.6,19.088 ; 113.6,20.866 Q9.5@113.6,23.165 ; Q11.7@114.87,16.789 114.87,19.088 ; 114.87,20.866 114.87,20.882 Q9.6@114.87,23.165 ; Q11.6@116.14,16.789 116.14,19.088 ; 116.14,20.866 Q9.7@116.14,23.165 ; Q11.5@117.41,16.789 117.41,19.088 ; 117.41,20.866 Q9.8@117.41,23.165
  Bottom Layer w0.3: v1(122.109,21.771) 118.324,21.771 v2(116.673,20.12) 119.901,16.892 v1(123.05,16.892)
  Bottom Layer w2: P3.1@104.482,11.812 108.101,15.431 ; 108.151,15.482 109.218,15.482 113.857,20.12 v2(114.133,20.12)
  Bottom Layer w3: v2(114.133,20.12) v2(115.403,20.12) v2(116.673,20.12)
  other v2: 114.133,19.358 115.403,19.358 116.673,19.358 114.133,20.882 115.403,20.882 116.673,20.882
AC24b: F1.2 F1.2a Q10.5 Q10.6 Q10.7 Q10.8 Q12.5 Q12.6 Q12.7 Q12.8 R40.1 R42.2 RV1.1 | length 52.6
  Top Layer w0.3: v1(119.136,22.91) R40.1@120.077,22.91 ; v1(120.077,17.961) R42.2@120.077,16.917 R42.2@120.177,16.917 ; R40.1@120.377,22.864 R40.1@120.377,22.964
  Top Layer w0.6: Q12.8@124.776,16.789 124.776,17.589 124.776,18.977 ; Q12.8@124.776,16.789 Q12.8@124.776,17.589 ; 124.776,20.882 Q10.5@124.776,23.165 ; Q12.7@126.046,16.789 126.046,18.977 ; 126.046,20.882 Q10.6@126.046,23.165 ; Q12.6@127.316,16.789 127.316,18.977 ; Q10.7@127.316,23.165 127.316,20.882 ; Q12.5@128.586,16.789 128.586,19.088 ; 128.586,20.866 Q10.8@128.586,23.165
  Bottom Layer w0.3: v1(119.136,22.91) 122.367,22.91 v2(125.157,20.12) 122.998,17.961 v1(120.077,17.961)
  Bottom Layer w3: v2(125.157,20.12) v2@127.52,20.12 ; v2(126.427,20.882) 132.851,27.306 F1.2a@133.616,27.306 ; F1.2a@133.616,27.79 F1.2@133.616,34.037
  other v2: 125.157,19.358 126.427,19.358 127.697,19.358 126.427,20.12 127.697,20.12 125.157,20.882 127.697,20.882
AC_REF: AC_REF.1 D11.3 R38.2 R39.2 U7.40 | length 22.3
  Top Layer w0.254: D11.3@119.9,38.069 119.9,36.788 R39.2@119.976,36.711
  Top Layer w0.3: v1(106.565,44.832) 106.566,44.831 U7.40@106.566,43.485 ; AC_REF.1@114.82,37.339 118.383,37.339 118.711,37.011 118.711,36.911 118.911,36.711 R38.2@119.011,36.711 R39.2@119.976,36.711
  Bottom Layer w0.3: v1(106.565,44.832) 107.3,45.568 110.274,45.568 114.82,41.022 AC_REF.1@114.82,37.339
BIAS_En: R20.1 U7.48 | length 73
  Top Layer w0.3: R20.1@49.95,38.202 49.95,38.102 50.15,37.902 50.25,37.902 51.066,37.085 52.653,37.085 53.677,36.062 53.677,32.887 v1(53.696,32.868) ; v1(102.177,32.817) 102.215,32.855 102.409,32.855 103.418,33.864 103.418,33.873 106.456,36.911 106.456,39.07 v1(108.026,40.64) ; U7.48@110.566,43.11 110.566,42.568 110.803,42.331 110.971,42.331 v1(111.01,42.292)
  Bottom Layer w0.3: v1(53.696,32.868) 53.703,32.875 61.486,32.875 61.798,32.563 66.751,32.563 67.31,32.004 78.726,32.004 79.353,32.631 99.22,32.631 99.584,32.268 101.628,32.268 v1(102.177,32.817) ; v1@108.054,40.64 110.287,40.64 111.01,41.363 v1(111.01,42.292)
CH1_ACT: Q5.2 Q5.3 R10.2 | length 24.3
  Top Layer w0.3: Q5.3@84.66,28.561 Q5.2@84.66,29.211 ; Q5.3@85.041,28.561 85.041,24.622 85.242,24.42 87.607,24.42 88.15,23.877 88.15,15.188 87.769,14.807 v1(87.769,14.752) ; v1(87.769,10.669) 87.781,10.657 R10.2@87.781,7.789
  Bottom Layer w0.3: v1(87.769,10.669) v1(87.769,14.752)
CH1_BTN: R54.1 S3.2 U7.43 | length 47.3
  Top Layer w0.3: S3.2@89.726,10.367 91.073,10.367 91.671,10.965 95.108,10.965 99.822,15.678 99.822,28.984 107.365,36.527 107.365,37.806 109.15,39.592 ; U7.43@108.066,43.435 108.066,42.017 109.144,40.939 109.144,39.598 109.15,39.592 ; R54.1@111.149,37.593 111.149,37.693 110.706,38.136 110.578,38.136 109.435,39.28 109.15,39.565 109.15,39.592
CH1_ID: P2.5 R13.1 R36.1 | length 23.5
  Top Layer w0.3: R13.1@52.197,34.418 52.829,34.418 52.829,34.384 53.11,34.104 v1(53.11,34.049) ; v1(55.289,34.037) R36.1@55.904,34.037 55.904,32.12 59.794,28.23 59.794,24.801 60.359,24.236 65.947,24.236 67.461,22.722 P2.5@67.461,22.509
  Bottom Layer w0.3: v1(53.11,34.049) 53.116,34.043 55.283,34.043 v1(55.289,34.037)
CH1_SB: D13.3 R53.1 U7.31 | length 19.9
  Top Layer w0.3: D13.3@93.877,52.269 93.877,52.544 93.727,52.694 93.452,52.694 92.994,53.152 91.364,53.152 91.164,52.952 91.164,52.87 91.071,52.777 91.071,50.389 92.891,48.568 96.352,48.568 97.364,47.556 99.015,47.556 99.286,47.285 U7.31@103.766,47.285